# Altium PCB PCB.PcbDoc (part 6 of 7)
Units mil, origin at the board's own origin, x right, y up, seen from the top; angles counter-clockwise.
Board outline 3937.01 x 2165.35 mil, 6 copper layers (Top, PWR, Signal 1, Signal 2, GND, Bottom), stack 64.961 mil thick; 271 components, 335 nets, 1191 pads, 518 vias.
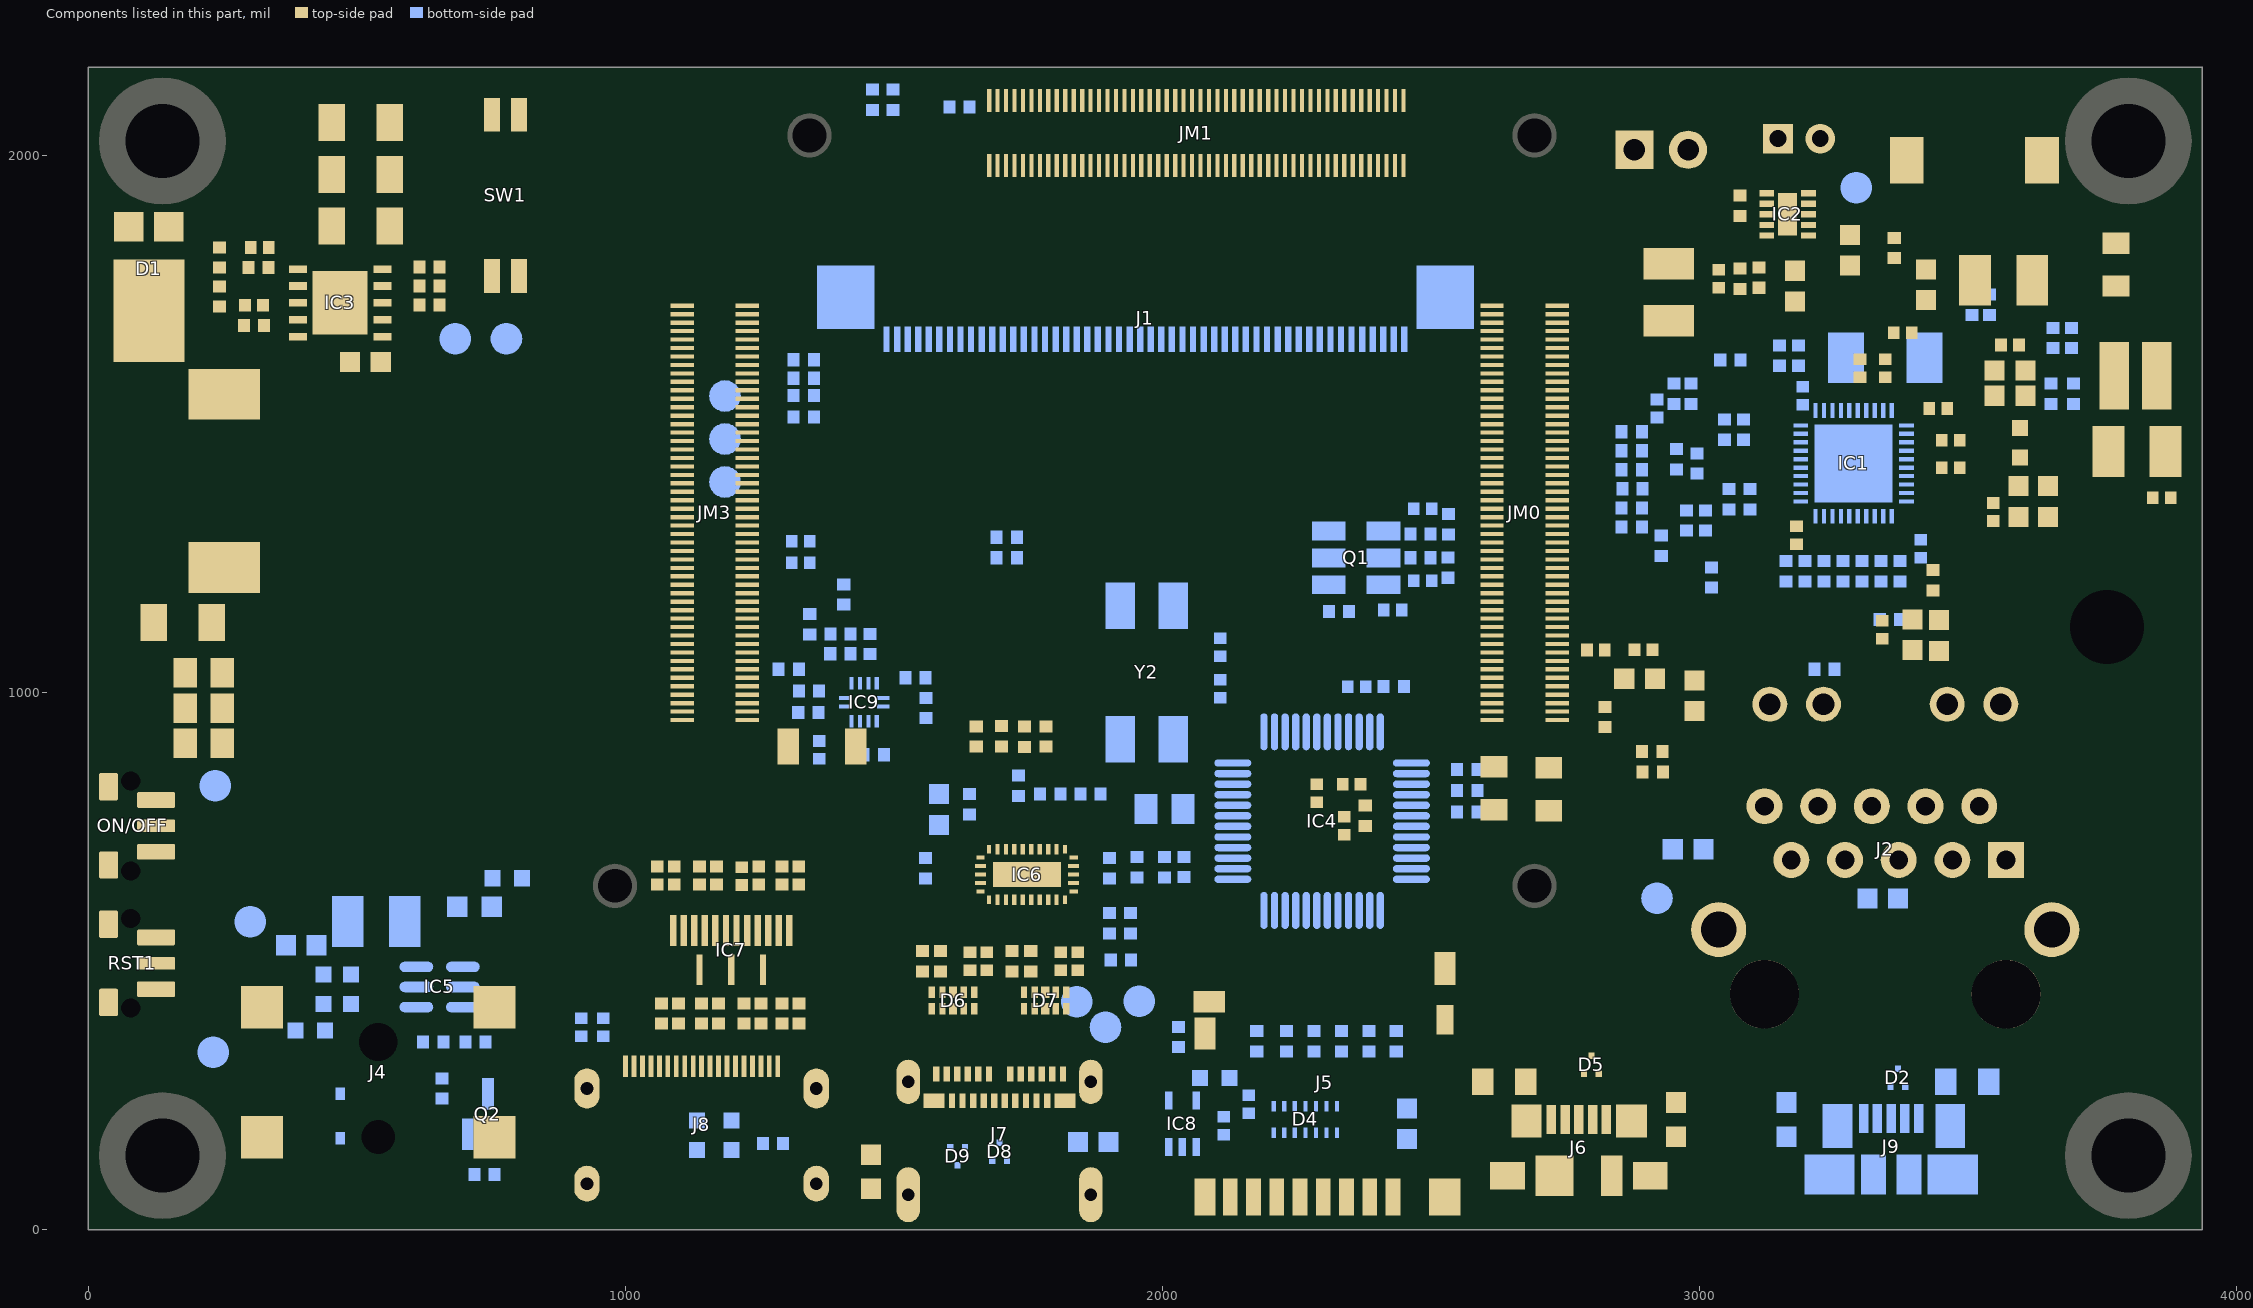
[diagram p10: the components of this part, seen from the top]

## Via types
v1: diameter 19.68, hole 5.91, Top to Bottom, tented both sides, 378 vias
v2: diameter 19.68, hole 5.91, Top to Bottom, 128 vias
v3: diameter 23.62, hole 9.84, Top to Bottom, 7 vias
v4: diameter 23.62, hole 7.87, Top to Bottom, 5 vias

## Nets (pads, with @x,y where several pads share a name; then routed paths per layer and width w, separated by ;. In a path a pad name is that pad's centre, name@x,y a point inside that pad or via, vN(x,y) a via of type N, cw(c..) or ccw(c..) an arc to the next point about the centre after c; other vN are vias at no path point) (continued)
copper on no net: (continued)
  Bottom w0.36: 95.01,1550.52 95.01,1555.95 ; 95.01,1574.38 95.01,1589.57 ; 95.01,1598.6 95.01,1614.51 ; 95.18,1130.78 95.18,1190.43 ; 95.18,1237.06 95.18,1296.7 ; 95.37,1346.28 95.37,1361.83 ; 95.37,1370.86 95.37,1376.65 ; 95.37,1377.37 95.37,1390.75 ; 95.37,1401.95 95.37,1418.58 ; 95.37,1426.53 95.37,1431.96 ; 95.37,1443.52 95.37,1448.95 ; 95.37,1467.74 95.37,1486.18 ; 95.37,1496.66 95.37,1512.21 ; 95.37,1524.14 95.37,1537.51 ; 95.37,1538.23 95.37,1544.02 ; 95.37,1550.52 95.37,1555.95 ; 95.37,1573.66 95.37,1589.93 ; 95.37,1597.88 95.37,1614.87 ; 95.54,1128.97 95.54,1190.07 ; 95.54,1237.42 95.54,1298.51 ; 95.73,1345.92 95.73,1362.19 ; 95.73,1370.86 95.73,1376.65 ; 95.73,1377.01 95.73,1391.11 ; 95.73,1401.59 95.73,1418.94 ; 95.73,1426.53 95.73,1431.96 ; 95.73,1443.52 95.73,1448.95 ; 95.73,1467.38 95.73,1486.9 ; 95.73,1496.3 95.73,1512.57 ; 95.73,1523.77 95.73,1537.87 ; 95.73,1538.23 95.73,1544.02 ; 95.73,1550.52 95.73,1555.95 ; 95.73,1573.3 95.73,1590.29 ; 95.73,1597.88 95.73,1615.23 ; 95.9,1126.8 95.9,1189.7 ; 95.9,1237.78 95.9,1300.68 ; 96.09,1345.56 96.09,1362.55 ; 96.09,1370.86 96.09,1391.47 ; 96.09,1401.23 96.09,1419.66 ; 96.09,1426.53 96.09,1431.96 ; 96.09,1443.52 96.09,1448.95 ; 96.09,1466.66 96.09,1487.26 ; 96.09,1495.94 96.09,1512.93 ; 96.09,1523.41 96.09,1544.02 ; 96.09,1550.52 96.09,1555.95 ; 96.09,1572.94 96.09,1590.65 ; 96.09,1597.52 96.09,1615.59 ; 96.26,1125 96.26,1189.7 ; 96.26,1237.78 96.26,1302.49 ; 96.45,1345.2 96.45,1362.91 ; 96.45,1370.86 96.45,1391.83 ; 96.45,1400.87 96.45,1420.03 ; 96.45,1426.53 96.45,1431.96 ; 96.45,1443.52 96.45,1448.95 ; 96.45,1466.3 96.45,1487.26 ; 96.45,1495.58 96.45,1513.29 ; 96.45,1523.05 96.45,1544.02 ; 96.45,1550.52 96.45,1555.95 ; 96.45,1572.57 96.45,1591.01 ; 96.45,1597.16 96.45,1615.95 ; 96.62,1122.83 96.62,1189.34 ; 96.62,1238.14 96.62,1304.66 ; 96.81,1345.2 96.81,1363.27 ; 96.81,1370.86 96.81,1391.83 ; 96.81,1400.51 96.81,1420.39 ; 96.81,1426.53 96.81,1431.96 ; 96.81,1443.52 96.81,1448.95 ; 96.81,1465.94 96.81,1487.62 ; 96.81,1495.22 96.81,1513.29 ; 96.81,1522.69 96.81,1544.02 ; 96.81,1550.52 96.81,1555.95 ; 96.81,1572.21 96.81,1591.37 ; 96.81,1596.79 96.81,1616.32 ; 96.99,1121.02 96.99,1188.98 ; 96.99,1238.5 96.99,1306.46 ; 97.18,1344.84 97.18,1363.63 ; 97.18,1370.86 97.18,1392.19 ; 97.18,1400.51 97.18,1420.39 ; 97.18,1426.53 97.18,1431.96 ; 97.18,1443.52 97.18,1448.95 ; 97.18,1465.57 97.18,1487.99 ; 97.18,1494.85 97.18,1513.65 ; 97.18,1522.69 97.18,1544.02 ; 97.18,1550.52 97.18,1555.95 ; 97.18,1572.21 97.18,1591.73 ; 97.18,1596.43 97.18,1616.68 ; 97.35,1119.21 97.35,1188.98 ; 97.35,1238.5 97.35,1308.27 ; 97.54,1344.47 97.54,1363.63 ; 97.54,1370.86 97.54,1392.55 ; 97.54,1400.14 97.54,1420.03 ; 97.54,1426.53 97.54,1431.96 ; 97.54,1443.52 97.54,1448.95 ; 97.54,1464.85 97.54,1488.35 ; 97.54,1494.85 97.54,1514.01 ; 97.54,1522.33 97.54,1544.02 ; 97.54,1550.52 97.54,1555.95 ; 97.54,1571.85 97.54,1592.1 ; 97.54,1596.07 97.54,1615.95 ; 97.71,1117.04 97.71,1188.62 ; 97.71,1238.87 97.71,1310.44 ; 97.9,1344.11 97.9,1364 ; 97.9,1370.86 97.9,1392.55 ; 97.9,1399.78 97.9,1408.46 ; 97.9,1411.71 97.9,1419.66 ; 97.9,1426.53 97.9,1431.96 ; 97.9,1443.52 97.9,1448.95 ; 97.9,1465.21 97.9,1475.7 ; 97.9,1479.67 97.9,1488.35 ; 97.9,1494.49 97.9,1514.38 ; 97.9,1522.33 97.9,1544.02 ; 97.9,1550.52 97.9,1555.95 ; 97.9,1571.49 97.9,1591.37 ; 97.9,1596.07 97.9,1604.75 ; 97.9,1608 97.9,1615.59 ; 98.07,1115.24 98.07,1188.26 ; 98.07,1239.23 98.07,1312.25 ; 98.26,1344.11 98.26,1352.43 ; 98.26,1355.68 98.26,1364.36 ; 98.26,1370.86 98.26,1380.62 ; 98.26,1383.88 98.26,1392.91 ; 98.26,1399.78 98.26,1407.37 ; 98.26,1413.16 98.26,1419.3 ; 98.26,1426.53 98.26,1431.96 ; 98.26,1443.52 98.26,1448.95 ; 98.26,1465.57 98.26,1474.25 ; 98.26,1480.76 98.26,1488.35 ; 98.26,1494.13 98.26,1502.81 ; 98.26,1506.06 98.26,1514.38 ; 98.26,1521.97 98.26,1531 ; 98.26,1533.9 98.26,1544.02 ; 98.26,1550.52 98.26,1555.95 ; 98.26,1571.13 98.26,1580.17 ; 98.26,1583.78 98.26,1591.01 ; 98.26,1595.71 98.26,1603.3 ; 98.26,1609.09 98.26,1615.23 ; 98.43,1113.43 98.43,1188.26 ; 98.43,1239.23 98.43,1314.06 ; 98.62,1343.75 98.62,1351.34 ; 98.62,1356.77 98.62,1364.36 ; 98.62,1370.86 98.62,1379.54 ; 98.62,1384.96 98.62,1392.91 ; 98.62,1399.42 98.62,1406.65 ; 98.62,1413.88 98.62,1418.58 ; 98.62,1426.53 98.62,1431.96 ; 98.62,1443.52 98.62,1448.95 ; 98.62,1465.94 98.62,1472.8 ; 98.62,1481.84 98.62,1488.71 ; 98.62,1494.13 98.62,1501.72 ; 98.62,1506.78 98.62,1514.74 ; 98.62,1521.97 98.62,1529.92 ; 98.62,1534.98 98.62,1544.02 ; 98.62,1550.52 98.62,1555.95 ; 98.62,1571.13 98.62,1579.08 ; 98.62,1584.87 98.62,1590.65 ; 98.62,1595.71 98.62,1602.58 ; 98.62,1610.17 98.62,1614.87 ; 98.79,1111.26 98.79,1187.9 ; 98.79,1239.59 98.79,1316.22 ; 98.98,1343.75 98.98,1350.98 ; 98.98,1357.49 98.98,1364.72 ; 98.98,1370.86 98.98,1378.82 ; 98.98,1385.68 98.98,1392.91 ; 98.98,1399.42 98.98,1405.93 ; 98.98,1414.6 98.98,1418.22 ; 98.98,1426.53 98.98,1431.96 ; 98.98,1443.52 98.98,1448.95 ; 98.98,1466.3 98.98,1472.08 ; 98.98,1482.2 98.98,1488.71 ; 98.98,1493.77 98.98,1501 ; 98.98,1507.51 98.98,1514.74 ; 98.98,1521.97 98.98,1529.2 ; 98.98,1535.7 98.98,1544.02 ; 98.98,1550.52 98.98,1555.95 ; 98.98,1570.77 98.98,1578.36 ; 98.98,1585.59 98.98,1590.29 ; 98.98,1595.35 98.98,1602.22 ; 98.98,1610.53 98.98,1614.51 ; 99.15,1109.45 99.15,1187.53 ; 99.15,1239.95 99.15,1318.03 ; 99.35,1343.39 99.35,1350.26 ; 99.35,1357.85 99.35,1364.72 ; 99.35,1370.86 99.35,1378.45 ; 99.35,1386.05 99.35,1392.91 ; 99.35,1399.06 99.35,1405.57 ; 99.35,1415.33 99.35,1417.86 ; 99.35,1426.53 99.35,1431.96 ; 99.35,1443.52 99.35,1448.95 ; 99.35,1466.66 99.35,1471.36 ; 99.35,1482.56 99.35,1488.71 ; 99.35,1493.77 99.35,1500.64 ; 99.35,1508.23 99.35,1515.1 ; 99.35,1521.6 99.35,1528.83 ; 99.35,1536.43 99.35,1544.02 ; 99.35,1550.52 99.35,1555.95 ; 99.35,1570.77 99.35,1577.64 ; 99.35,1586.31 99.35,1589.93 ; 99.35,1595.35 99.35,1601.49 ; 99.35,1611.25 99.35,1613.78 ; 99.52,1108.01 99.52,1187.53 ; 99.52,1239.95 99.52,1319.48 ; 99.71,1343.39 99.71,1349.9 ; 99.71,1358.21 99.71,1364.72 ; 99.71,1370.86 99.71,1378.09 ; 99.71,1386.41 99.71,1393.28 ; 99.71,1399.06 99.71,1405.21 ; 99.71,1415.69 99.71,1417.5 ; 99.71,1426.53 99.71,1431.96 ; 99.71,1443.52 99.71,1448.95 ; 99.71,1467.02 99.71,1471 ; 99.71,1482.93 99.71,1489.07 ; 99.71,1493.77 99.71,1500.28 ; 99.71,1508.59 99.71,1515.1 ; 99.71,1521.6 99.71,1528.47 ; 99.71,1536.79 99.71,1544.02 ; 99.71,1550.52 99.71,1555.95 ; 99.71,1570.41 99.71,1577.27 ; 99.71,1586.67 99.71,1589.57 ; 99.71,1594.99 99.71,1601.13 ; 99.71,1611.62 99.71,1613.42 ; 99.88,1107.28 99.88,1187.17 ; 99.88,1240.31 99.88,1320.2 ; 100.07,1343.39 100.07,1349.54 ; 100.07,1358.57 100.07,1365.08 ; 100.07,1370.86 100.07,1378.09 ; 100.07,1386.77 100.07,1393.28 ; 100.07,1399.06 100.07,1404.84 ; 100.07,1416.05 100.07,1417.13 ; 100.07,1426.53 100.07,1431.96 ; 100.07,1443.52 100.07,1448.95 ; 100.07,1467.38 100.07,1470.27 ; 100.07,1483.29 100.07,1489.07 ; 100.07,1493.41 100.07,1499.92 ; 100.07,1508.95 100.07,1515.1 ; 100.07,1521.6 100.07,1528.11 ; 100.07,1536.79 100.07,1544.02 ; 100.07,1550.52 100.07,1555.95 ; 100.07,1570.41 100.07,1576.91 ; 100.07,1587.03 100.07,1589.2 ; 100.07,1594.99 100.07,1600.77 ; 100.07,1612.34 100.07,1613.06 ; 100.24,1107.28 100.24,1187.17 ; 100.24,1240.31 100.24,1320.2 ; 100.43,1343.03 100.43,1349.17 ; 100.43,1358.93 100.43,1365.08 ; 100.43,1370.86 100.43,1377.73 ; 100.43,1387.13 100.43,1393.28 ; 100.43,1398.7 100.43,1404.48 ; 100.43,1426.53 100.43,1431.96 ; 100.43,1443.52 100.43,1448.95 ; 100.43,1467.74 100.43,1469.91 ; 100.43,1483.29 100.43,1489.07 ; 100.43,1493.41 100.43,1499.55 ; 100.43,1509.31 100.43,1515.46 ; 100.43,1521.6 100.43,1527.75 ; 100.43,1537.15 100.43,1544.02 ; 100.43,1550.52 100.43,1555.95 ; 100.43,1570.04 100.43,1576.55 ; 100.43,1587.4 100.43,1588.84 ; 100.43,1594.99 100.43,1600.77 ; 100.6,1106.92 100.6,1186.81 ; 100.6,1240.67 100.6,1320.56 ; 100.79,1343.03 100.79,1349.17 ; 100.79,1359.3 100.79,1365.08 ; 100.79,1370.86 100.79,1377.37 ; 100.79,1387.13 100.79,1393.28 ; 100.79,1398.7 100.79,1404.48 ; 100.79,1426.53 100.79,1431.96 ; 100.79,1443.52 100.79,1448.95 ; 100.79,1468.1 100.79,1469.55 ; 100.79,1483.65 100.79,1489.07 ; 100.79,1493.41 100.79,1499.19 ; 100.79,1509.31 100.79,1515.46 ; 100.79,1521.24 100.79,1527.75 ; 100.79,1537.51 100.79,1544.02 ; 100.79,1550.52 100.79,1555.95 ; 100.79,1570.04 100.79,1576.19 ; 100.79,1587.76 100.79,1588.48 ; 100.79,1594.63 100.79,1600.41 ; 100.96,1106.92 100.96,1186.81 ; 100.96,1240.67 100.96,1320.56 ; 101.15,1343.03 101.15,1348.81 ; 101.15,1359.3 101.15,1365.44 ; 101.15,1370.86 101.15,1377.37 ; 101.15,1387.49 101.15,1393.28 ; 101.15,1398.7 101.15,1404.12 ; 101.15,1426.53 101.15,1431.96 ; 101.15,1443.52 101.15,1448.95 ; 101.15,1468.47 101.15,1469.19 ; 101.15,1483.65 101.15,1489.07 ; 101.15,1493.05 101.15,1499.19 ; 101.15,1509.68 101.15,1515.46 ; 101.15,1521.24 101.15,1527.39 ; 101.15,1537.51 101.15,1544.02 ; 101.15,1550.52 101.15,1555.95 ; 101.15,1570.04 101.15,1575.83 ; 101.15,1594.63 101.15,1600.41 ; 101.32,1106.92 101.32,1186.45 ; 101.32,1241.03 101.32,1320.56 ; 101.51,1343.03 101.51,1348.81 ; 101.51,1359.66 101.51,1365.44 ; 101.51,1370.86 101.51,1377.01 ; 101.51,1387.49 101.51,1393.28 ; 101.51,1398.34 101.51,1404.12 ; 101.51,1426.53 101.51,1431.96 ; 101.51,1443.52 101.51,1448.95 ; 101.51,1483.65 101.51,1489.07 ; 101.51,1493.05 101.51,1498.83 ; 101.51,1509.68 101.51,1515.46 ; 101.51,1521.24 101.51,1527.39 ; 101.51,1537.87 101.51,1544.02 ; 101.51,1550.52 101.51,1555.95 ; 101.51,1570.04 101.51,1575.83 ; 101.51,1594.63 101.51,1600.05 ; 101.69,1106.92 101.69,1186.45 ; 101.69,1241.03 101.69,1320.56 ; 101.88,1343.03 101.88,1348.45 ; 101.88,1359.66 101.88,1365.44 ; 101.88,1370.86 101.88,1377.01 ; 101.88,1387.49 101.88,1393.28 ; 101.88,1398.34 101.88,1403.76 ; 101.88,1426.53 101.88,1431.96 ; 101.88,1443.52 101.88,1448.95 ; 101.88,1483.65 101.88,1489.07 ; 101.88,1493.05 101.88,1498.83 ; 101.88,1510.04 101.88,1515.46 ; 101.88,1521.24 101.88,1527.03 ; 101.88,1537.87 101.88,1544.02 ; 101.88,1550.52 101.88,1555.95 ; 101.88,1569.68 101.88,1575.47 ; 101.88,1594.63 101.88,1600.05 ; 102.05,1106.92 102.05,1186.09 ; 102.05,1241.4 102.05,1320.56 ; 102.24,1342.67 102.24,1348.45 ; 102.24,1360.02 102.24,1365.44 ; 102.24,1370.86 102.24,1377.01 ; 102.24,1387.85 102.24,1393.64 ; 102.24,1398.34 102.24,1403.76 ; 102.24,1426.53 102.24,1431.96 ; 102.24,1443.52 102.24,1448.95 ; 102.24,1483.29 102.24,1489.07 ; 102.24,1493.05 102.24,1498.47 ; 102.24,1510.04 102.24,1515.82 ; 102.24,1521.24 102.24,1527.03 ; 102.24,1538.23 102.24,1544.02 ; 102.24,1550.52 102.24,1555.95 ; 102.24,1569.68 102.24,1575.47 ; 102.24,1594.26 102.24,1599.69 ; 102.41,1106.92 102.41,1186.09 ; 102.41,1241.4 102.41,1320.56 ; 102.6,1342.67 102.6,1348.45 ; 102.6,1360.02 102.6,1365.44 ; 102.6,1370.86 102.6,1377.01 ; 102.6,1387.85 102.6,1393.64 ; 102.6,1398.34 102.6,1403.76 ; 102.6,1426.53 102.6,1431.96 ; 102.6,1443.52 102.6,1448.95 ; 102.6,1483.29 102.6,1489.07 ; 102.6,1493.05 102.6,1498.47 ; 102.6,1510.04 102.6,1515.82 ; 102.6,1521.24 102.6,1527.03 ; 102.6,1538.23 102.6,1544.02 ; 102.6,1550.52 102.6,1555.95 ; 102.6,1569.68 102.6,1575.47 ; 102.6,1594.26 102.6,1599.69 ; 102.77,1106.92 102.77,1186.09 ; 102.77,1241.4 102.77,1320.56 ; 102.96,1342.67 102.96,1348.09 ; 102.96,1360.02 102.96,1365.44 ; 102.96,1370.86 102.96,1376.65 ; 102.96,1387.85 102.96,1393.64 ; 102.96,1397.98 102.96,1403.4 ; 102.96,1426.53 102.96,1431.96 ; 102.96,1443.52 102.96,1448.95 ; 102.96,1483.29 102.96,1489.07 ; 102.96,1492.69 102.96,1498.47 ; 102.96,1510.4 102.96,1515.82 ; 102.96,1521.24 102.96,1527.03 ; 102.96,1538.23 102.96,1544.02 ; 102.96,1550.52 102.96,1555.95 ; 102.96,1569.68 102.96,1575.11 ; 102.96,1594.26 102.96,1599.69 ; 103.13,1106.92 103.13,1185.73 ; 103.13,1241.76 103.13,1320.56 ; 103.32,1342.67 103.32,1348.09 ; 103.32,1360.02 103.32,1365.8 ; 103.32,1370.86 103.32,1376.65 ; 103.32,1387.85 103.32,1393.64 ; 103.32,1397.98 103.32,1403.4 ; 103.32,1426.53 103.32,1431.96 ; 103.32,1443.52 103.32,1448.95 ; 103.32,1482.93 103.32,1489.07 ; 103.32,1492.69 103.32,1498.47 ; 103.32,1510.4 103.32,1515.82 ; 103.32,1521.24 103.32,1526.67 ; 103.32,1538.23 103.32,1544.02 ; 103.32,1550.52 103.32,1555.95 ; 103.32,1569.32 103.32,1575.11 ; 103.32,1594.26 103.32,1599.69 ; 103.49,1106.92 103.49,1185.73 ; 103.49,1241.76 103.49,1320.56 ; 103.68,1342.67 103.68,1348.09 ; 103.68,1360.02 103.68,1365.8 ; 103.68,1370.86 103.68,1376.65 ; 103.68,1387.85 103.68,1393.64 ; 103.68,1397.98 103.68,1403.4 ; 103.68,1426.53 103.68,1431.96 ; 103.68,1443.52 103.68,1448.95 ; 103.68,1482.56 103.68,1488.71 ; 103.68,1492.69 103.68,1498.47 ; 103.68,1510.4 103.68,1515.82 ; 103.68,1521.24 103.68,1526.67 ; 103.68,1538.23 103.68,1544.02 ; 103.68,1550.52 103.68,1555.95 ; 103.68,1569.32 103.68,1575.11 ; 103.68,1594.26 103.68,1599.33 ; 103.85,1106.92 103.85,1185.73 ; 103.85,1241.76 103.85,1320.56 ; 104.04,1342.67 104.04,1348.09 ; 104.04,1360.02 104.04,1365.8 ; 104.04,1370.86 104.04,1376.65 ; 104.04,1387.85 104.04,1393.64 ; 104.04,1397.98 104.04,1403.4 ; 104.04,1426.53 104.04,1431.96 ; 104.04,1443.52 104.04,1448.95 ; 104.04,1481.84 104.04,1488.71 ; 104.04,1492.69 104.04,1498.11 ; 104.04,1510.4 104.04,1515.82 ; 104.04,1521.24 104.04,1526.67 ; 104.04,1538.23 104.04,1544.02 ; 104.04,1550.52 104.04,1555.95 ; 104.04,1569.32 104.04,1575.11 ; 104.04,1594.26 104.04,1599.33 ; 104.22,1106.92 104.22,1185.37 ; 104.22,1242.12 104.22,1320.56 ; 104.41,1342.67 104.41,1348.09 ; 104.41,1360.38 104.41,1365.8 ; 104.41,1370.86 104.41,1376.65 ; 104.41,1388.22 104.41,1393.64 ; 104.41,1397.98 104.41,1403.4 ; 104.41,1426.53 104.41,1431.96 ; 104.41,1443.52 104.41,1448.95 ; 104.41,1480.39 104.41,1488.71 ; 104.41,1492.69 104.41,1498.11 ; 104.41,1510.4 104.41,1515.82 ; 104.41,1521.24 104.41,1526.67 ; 104.41,1538.23 104.41,1544.02 ; 104.41,1550.52 104.41,1555.95 ; 104.41,1569.32 104.41,1574.74 ; 104.41,1594.26 104.41,1599.33 ; 104.58,1106.92 104.58,1185.37 ; 104.58,1242.12 104.58,1320.56 ; 104.77,1342.67 104.77,1348.09 ; 104.77,1360.38 104.77,1365.8 ; 104.77,1370.86 104.77,1376.65 ; 104.77,1388.22 104.77,1393.64 ; 104.77,1397.98 104.77,1403.4 ; 104.77,1426.53 104.77,1431.96 ; 104.77,1443.52 104.77,1448.95 ; 104.77,1476.78 104.77,1488.35 ; 104.77,1492.69 104.77,1498.11 ; 104.77,1510.4 104.77,1515.82 ; 104.77,1521.24 104.77,1526.67 ; 104.77,1538.23 104.77,1544.02 ; 104.77,1550.52 104.77,1555.95 ; 104.77,1569.32 104.77,1574.74 ; 104.77,1593.9 104.77,1599.33 ; 104.94,1106.92 104.94,1185.37 ; 104.94,1242.12 104.94,1320.56 ; 105.13,1342.67 105.13,1348.09 ; 105.13,1360.38 105.13,1365.8 ; 105.13,1370.86 105.13,1376.65 ; 105.13,1388.22 105.13,1393.64 ; 105.13,1397.98 105.13,1421.11 ; 105.13,1426.53 105.13,1431.96 ; 105.13,1443.52 105.13,1448.95 ; 105.13,1473.53 105.13,1488.35 ; 105.13,1492.69 105.13,1498.11 ; 105.13,1510.4 105.13,1515.82 ; 105.13,1521.24 105.13,1526.67 ; 105.13,1538.23 105.13,1544.02 ; 105.13,1550.52 105.13,1555.95 ; 105.13,1569.32 105.13,1574.74 ; 105.13,1593.9 105.13,1617.4 ; 105.3,1106.92 105.3,1185 ; 105.3,1242.48 105.3,1320.56 ; 105.49,1342.67 105.49,1348.09 ; 105.49,1360.38 105.49,1365.8 ; 105.49,1370.86 105.49,1376.65 ; 105.49,1388.22 105.49,1393.64 ; 105.49,1397.98 105.49,1421.11 ; 105.49,1426.53 105.49,1431.96 ; 105.49,1443.52 105.49,1448.95 ; 105.49,1472.08 105.49,1488.35 ; 105.49,1492.69 105.49,1498.11 ; 105.49,1510.4 105.49,1515.82 ; 105.49,1521.24 105.49,1526.67 ; 105.49,1538.23 105.49,1544.02 ; 105.49,1550.52 105.49,1555.95 ; 105.49,1569.32 105.49,1574.74 ; 105.49,1593.9 105.49,1617.4 ; 105.66,1106.92 105.66,1185 ; 105.66,1242.48 105.66,1320.56 ; 105.85,1342.67 105.85,1348.09 ; 105.85,1360.38 105.85,1365.8 ; 105.85,1370.86 105.85,1376.65 ; 105.85,1388.22 105.85,1393.64 ; 105.85,1397.98 105.85,1421.11 ; 105.85,1426.53 105.85,1431.96 ; 105.85,1443.52 105.85,1448.95 ; 105.85,1471.36 105.85,1487.99 ; 105.85,1492.69 105.85,1498.11 ; 105.85,1510.4 105.85,1515.82 ; 105.85,1521.24 105.85,1526.67 ; 105.85,1538.23 105.85,1544.02 ; 105.85,1550.52 105.85,1555.95 ; 105.85,1569.32 105.85,1574.74 ; 105.85,1593.9 105.85,1617.4 ; 106.02,1106.92 106.02,1185 ; 106.02,1242.48 106.02,1320.56 ; 106.21,1342.31 106.21,1348.09 ; 106.21,1360.38 106.21,1365.8 ; 106.21,1370.86 106.21,1376.65 ; 106.21,1388.22 106.21,1393.64 ; 106.21,1397.98 106.21,1421.11 ; 106.21,1426.53 106.21,1431.96 ; 106.21,1443.52 106.21,1448.95 ; 106.21,1470.63 106.21,1487.62 ; 106.21,1492.69 106.21,1498.11 ; 106.21,1510.4 106.21,1515.82 ; 106.21,1521.24 106.21,1526.67 ; 106.21,1538.23 106.21,1544.02 ; 106.21,1550.52 106.21,1555.95 ; 106.21,1569.32 106.21,1574.74 ; 106.21,1593.9 106.21,1617.4 ; 106.38,1106.92 106.38,1184.64 ; 106.38,1242.84 106.38,1320.56 ; 106.58,1342.31 106.58,1348.09 ; 106.58,1360.38 106.58,1365.8 ; 106.58,1370.86 106.58,1376.65 ; 106.58,1388.22 106.58,1393.64 ; 106.58,1397.98 106.58,1421.11 ; 106.58,1426.53 106.58,1431.96 ; 106.58,1443.52 106.58,1448.95 ; 106.58,1469.91 106.58,1487.62 ; 106.58,1492.69 106.58,1498.11 ; 106.58,1510.4 106.58,1516.18 ; 106.58,1521.24 106.58,1526.67 ; 106.58,1538.23 106.58,1544.02 ; 106.58,1550.52 106.58,1555.95 ; 106.58,1569.32 106.58,1574.74 ; 106.58,1593.9 106.58,1617.4 ; 106.75,1106.92 106.75,1184.64 ; 106.75,1242.84 106.75,1320.56 ; 106.94,1342.31 106.94,1348.09 ; 106.94,1360.38 106.94,1365.8 ; 106.94,1370.86 106.94,1376.65 ; 106.94,1388.22 106.94,1393.64 ; 106.94,1397.98 106.94,1421.11 ; 106.94,1426.53 106.94,1431.96 ; 106.94,1443.52 106.94,1448.95 ; 106.94,1469.55 106.94,1487.26 ; 106.94,1492.69 106.94,1498.11 ; 106.94,1510.4 106.94,1516.18 ; 106.94,1521.24 106.94,1526.67 ; 106.94,1538.23 106.94,1544.02 ; 106.94,1550.52 106.94,1555.95 ; 106.94,1568.96 106.94,1574.74 ; 106.94,1593.9 106.94,1617.4 ; 107.11,1106.92 107.11,1184.64 ; 107.11,1242.84 107.11,1320.56 ; 107.3,1342.31 107.3,1348.09 ; 107.3,1360.38 107.3,1365.8 ; 107.3,1370.86 107.3,1376.65 ; 107.3,1388.22 107.3,1393.64 ; 107.3,1397.98 107.3,1421.11 ; 107.3,1426.53 107.3,1431.96 ; 107.3,1443.52 107.3,1448.95 ; 107.3,1469.19 107.3,1486.9 ; 107.3,1492.69 107.3,1498.11 ; 107.3,1510.4 107.3,1516.18 ; 107.3,1521.24 107.3,1526.67 ; 107.3,1538.23 107.3,1544.02 ; 107.3,1550.52 107.3,1555.95 ; 107.3,1568.96 107.3,1574.74 ; 107.3,1593.9 107.3,1617.4 ; 107.47,1106.92 107.47,1184.64 ; 107.47,1242.84 107.47,1320.56 ; 107.66,1342.31 107.66,1348.09 ; 107.66,1360.38 107.66,1365.8 ; 107.66,1370.86 107.66,1376.65 ; 107.66,1388.22 107.66,1393.64 ; 107.66,1397.98 107.66,1421.11 ; 107.66,1426.53 107.66,1431.96 ; 107.66,1443.52 107.66,1448.95 ; 107.66,1468.83 107.66,1486.54 ; 107.66,1492.69 107.66,1498.11 ; 107.66,1510.4 107.66,1516.18 ; 107.66,1521.24 107.66,1526.67 ; 107.66,1538.23 107.66,1544.02 ; 107.66,1550.52 107.66,1555.95 ; 107.66,1569.32 107.66,1574.74 ; 107.66,1593.9 107.66,1617.4 ; 107.83,1106.92 107.83,1184.28 ; 107.83,1243.2 107.83,1320.56 ; 108.02,1342.31 108.02,1348.09 ; 108.02,1360.38 108.02,1365.8 ; 108.02,1370.86 108.02,1376.65 ; 108.02,1388.22 108.02,1393.64 ; 108.02,1397.98 108.02,1421.11 ; 108.02,1426.53 108.02,1431.96 ; 108.02,1443.52 108.02,1448.95 ; 108.02,1468.47 108.02,1486.18 ; 108.02,1492.69 108.02,1498.11 ; 108.02,1510.4 108.02,1515.82 ; 108.02,1521.24 108.02,1526.67 ; 108.02,1538.23 108.02,1544.02 ; 108.02,1550.52 108.02,1555.95 ; 108.02,1569.32 108.02,1574.74 ; 108.02,1593.9 108.02,1617.4 ; 108.19,1106.92 108.19,1184.28 ; 108.19,1243.2 108.19,1320.56 ; 108.38,1342.67 108.38,1348.09 ; 108.38,1360.38 108.38,1365.8 ; 108.38,1370.86 108.38,1376.65 ; 108.38,1388.22 108.38,1393.64 ; 108.38,1397.98 108.38,1421.11 ; 108.38,1426.53 108.38,1431.96 ; 108.38,1443.52 108.38,1448.95 ; 108.38,1468.1 108.38,1485.46 ; 108.38,1492.69 108.38,1498.11 ; 108.38,1510.4 108.38,1515.82 ; 108.38,1521.24 108.38,1526.67 ; 108.38,1538.23 108.38,1544.02 ; 108.38,1550.52 108.38,1555.95 ; 108.38,1569.32 108.38,1574.74 ; 108.38,1593.9 108.38,1617.4 ; 108.55,1106.92 108.55,1184.28 ; 108.55,1243.2 108.55,1320.56 ; 108.74,1342.67 108.74,1348.09 ; 108.74,1360.38 108.74,1365.8 ; 108.74,1370.86 108.74,1376.65 ; 108.74,1388.22 108.74,1393.64 ; 108.74,1397.98 108.74,1421.11 ; 108.74,1426.53 108.74,1431.96 ; 108.74,1443.52 108.74,1448.95 ; 108.74,1467.74 108.74,1484.73 